# Altium PCB X98_CARRIER_V1R2_12082022.PcbDoc (part 7 of 10) (continued)
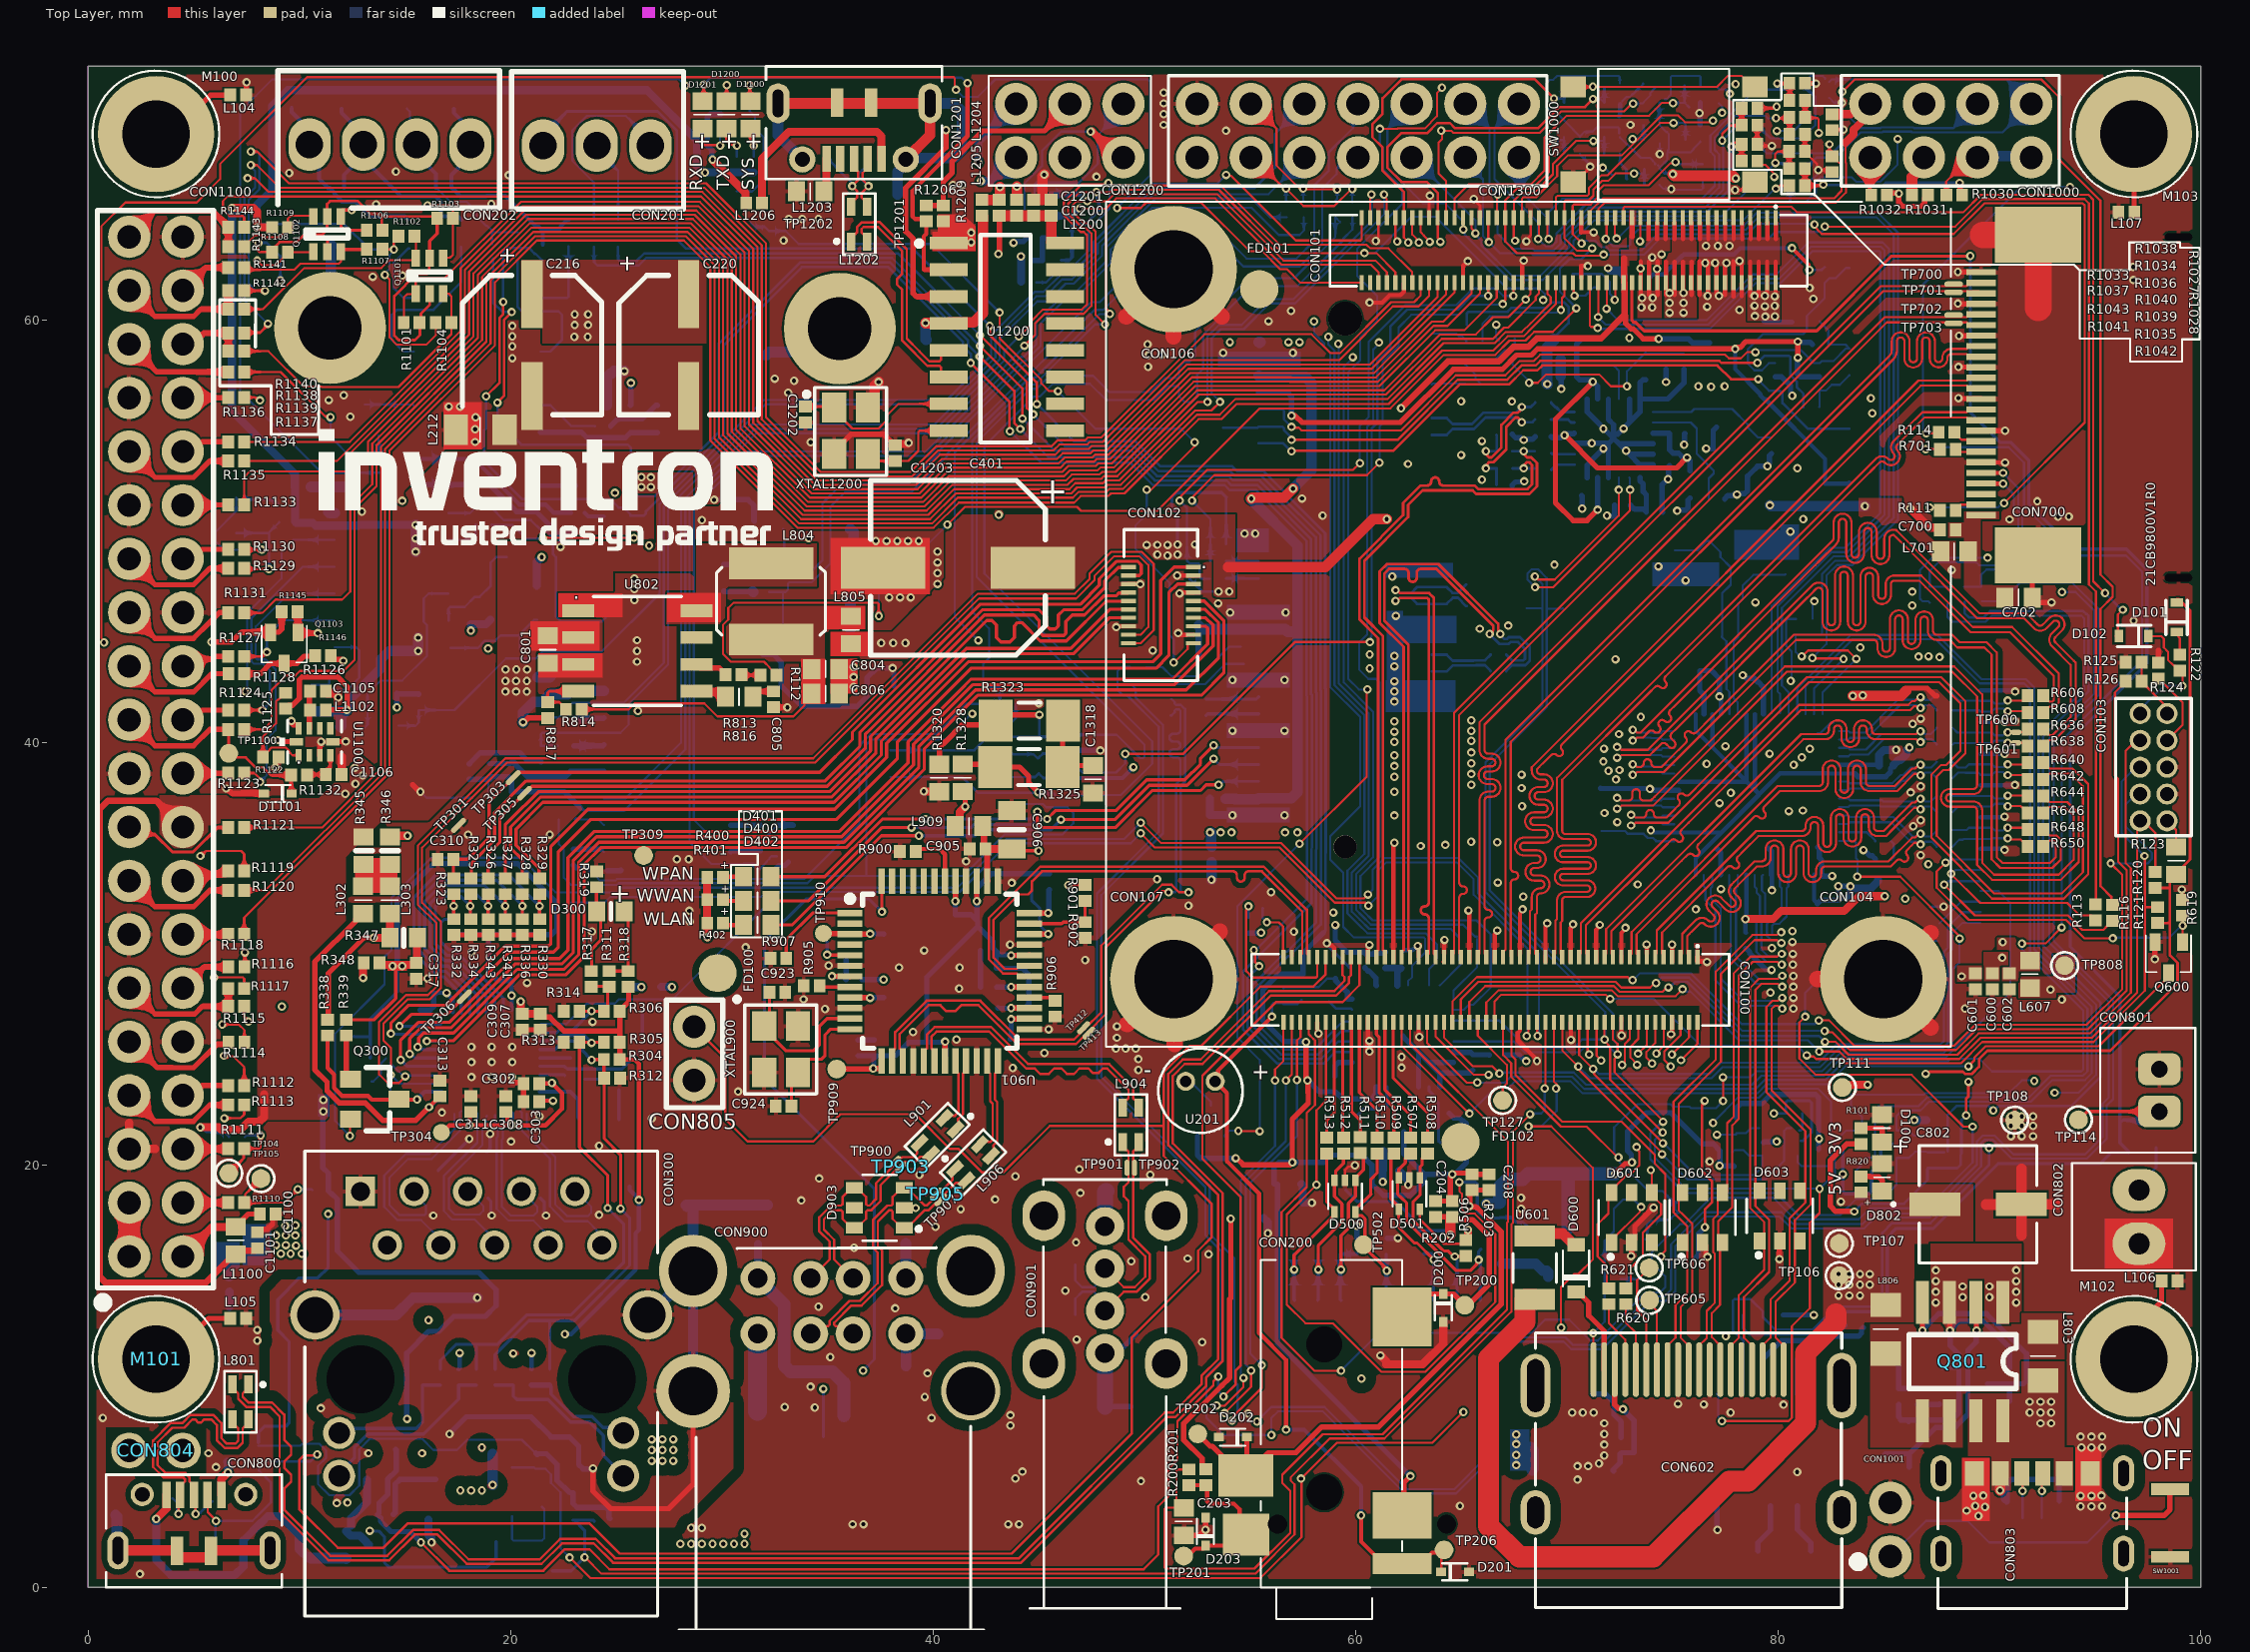
[diagram p0: Top Layer view]
## Nets (pads, with @x,y where several pads share a name; then routed paths per layer and width w, separated by ;. In a path a pad name is that pad's centre, name@x,y a point inside that pad or via, vN(x,y) a via of type N, cw(c..) or ccw(c..) an arc to the next point about the centre after c; other vN are vias at no path point) (continued)
  Top Layer w0.152: CON1100.17@1.93,35.99 2.284,35.636 3.158,35.636 3.982,34.812 4.958,34.812 6.115,35.969 R1121.1@6.626,35.969
NetCON1100_20: CON1100.20 R1123.2 | length 2.2
  Top Layer w0.254: CON1100.20@4.47,38.53 4.48,38.54 6.615,38.54 R1123.2@6.626,38.551
NetCON1100_22: CON1100.22 R1124.2 | length 2.3
  Top Layer w0.254: CON1100.22@4.47,41.07 4.942,41.07 5.399,41.527 R1124.2@6.626,41.527
NetCON1100_23: CON1100.23 R1128.1 | length 5.6
  Top Layer w0.254: CON1100.23@1.93,43.61 3.159,42.381 4.979,42.381 5.85,43.253 R1128.1@6.628,43.253
NetCON1100_24: CON1100.24 R1127.2 | length 2.3
  Top Layer w0.254: CON1100.24@4.47,43.61 4.804,43.944 5.821,43.944 5.945,44.068 R1127.2@6.626,44.068
NetCON1100_25: CON1100.25 R1131.1 | length 5.7
  Top Layer w0.254: CON1100.25@1.93,46.15 3.159,44.921 4.979,44.921 5.699,45.641 6.197,46.14 R1131.1@6.615,46.14
NetCON1100_27: CON1100.27 R1129.1 | length 5.5
  Top Layer w0.254: CON1100.27@1.93,48.69 3.159,47.461 4.979,47.461 5.755,48.237 R1129.1@6.626,48.237
NetCON1100_28: CON1100.28 R1130.2 | length 2.3
  Top Layer w0.254: CON1100.28@4.47,48.69 4.942,48.69 5.391,49.139 R1130.2@6.626,49.139
NetCON1100_30: CON1100.30 R1133.2 | length 2.2
  Top Layer w0.254: CON1100.30@4.47,51.23 4.48,51.24 6.615,51.24 R1133.2@6.626,51.251
NetCON1100_31: CON1100.31 R1135.1 | length 5.5
  Top Layer w0.254: CON1100.31@1.93,53.77 3.159,52.541 4.979,52.541 5.756,53.319 R1135.1@6.626,53.319
NetCON1100_32: CON1100.32 R1134.2 | length 2.3
  Top Layer w0.254: CON1100.32@4.47,53.77 4.942,53.77 5.402,54.229 R1134.2@6.626,54.229
NetCON1100_34: CON1100.34 R1136.2 | length 2.2
  Top Layer w0.254: CON1100.34@4.47,56.31 4.48,56.32 6.615,56.32 R1136.2@6.626,56.331
NetCON1100_35: CON1100.35 R1137.1 | length 5.2
  Top Layer w0.254: CON1100.35@1.93,58.85 3.241,57.539 5.091,57.539 5.096,57.534 R1137.1@6.626,57.534
NetCON1100_36: CON1100.36 R1138.2 R1139.2 | length 3.2
  Top Layer w0.254: CON1100.36@4.47,58.85 4.942,58.85 5.471,59.379 R1138.2@6.626,59.379 R1139.2@6.626,58.52
NetCON1100_37: CON1100.37 R1140.1 R1142.1 | length 6.2
  Top Layer w0.254: CON1100.37@1.93,61.39 3.159,60.161 4.979,60.161 5.323,60.506 R1140.1@6.626,60.506 R1142.1@6.626,61.39
NetCON1100_38: CON1100.38 R1141.2 | length 2.6
  Top Layer w0.254: CON1100.38@4.47,61.39 5.557,62.477 R1141.2@6.626,62.477
NetCON1100_39: CON1100.39 R1143.1 R1144.1 | length 6.5
  Top Layer w0.254: CON1100.39@1.93,63.93 3.159,65.159 5.876,65.159 6.626,64.409 R1144.1@6.626,64.384 R1143.1@6.626,63.472
NetCON1200_1: CON1200.1 R1203.2 | length 7.2
  Bottom Layer w0.102: R1203.2@44.81,65.961 44.81,66.444 44.869,66.504 46.904,66.504 47.788,67.387 47.788,68.752 49.001,69.965 CON1200.1@49.001,70.23
NetCON1200_2: CON1200.2 R1202.1 | length 8.6
  Top Layer w0.102: v1(47.451,68.913) v1@47.532,68.913 ; CON1200.2@48.755,67.69 CON1200.2@49.001,67.69
  Top Layer w0.381: v1@47.532,68.913 CON1200.2@48.755,67.69
  Bottom Layer w0.102: R1202.1@44.81,64.918 44.378,64.918 44.318,64.977 44.318,66.458 45.158,67.297 45.158,68.017 46.054,68.913 v1(47.451,68.913)
NetCON1200_5: CON1200.5 R1204.2 | length 9.3
  Layer 2 w0.102: v1(42.125,67.459) 42.125,67.411 41.899,67.186 41.899,64.89 43.099,63.691 43.766,63.691 v1(43.804,63.652)
  Bottom Layer w0.254: v1(43.804,63.652) 43.844,63.652 43.908,63.716 44.276,63.716 44.429,63.869 R1204.2@44.429,63.875
  Bottom Layer w0.381: v1(42.125,67.459) 42.125,68.434 CON1200.5@43.921,70.23
NetCON1200_6: CON1200.6 R1205.1 | length 8.2
  Layer 2 w0.102: v1(42.252,66.57) 42.252,64.919 43.166,64.005 44.097,64.005 44.157,63.945 44.157,63.014 v1(44.151,63.008)
  Bottom Layer w0.381: v1(42.252,66.57) 42.255,66.574 42.726,66.574 43.842,67.69 CON1200.6@43.921,67.69 ; R1205.1@44.151,61.804 v1(44.151,63.008)
NetCON1201_1: CON1201.1 L1206.1 | length 9.5
  Top Layer w0.381: L1206.1@31.928,65.532 31.896,65.563 31.896,67.634 33.172,68.91 37.327,68.91 37.55,68.687 CON1201.1@37.55,67.625
NetCON1201_5: CON1201.5 L1203.1 | length 1.6
  Top Layer w0.381: L1203.1@34.827,66.083 34.941,66.197 34.941,67.616 CON1201.5@34.95,67.625
NetCON1300_11: CON1300.11 R1309.2 R1311.2 | length 8
  Top Layer w0.102: CON1300.11@55.076,70.234 56.252,69.058 56.252,67.312 57.298,66.266 57.459,66.266 57.537,66.188 59.1,66.188 v1(59.124,66.164)
  Bottom Layer w0.102: v1(57.516,66.209) 57.516,65.644 R1311.2@57.548,65.612 ; R1309.2@59.037,65.612 59.037,65.646 59.124,65.733 v1(59.124,66.164)
NetCON1300_12: CON1300.12 R1313.2 R1315.2 | length 7.4
  Top Layer w0.102: CON1300.12@55.03,67.69 55.149,67.69 56.621,66.218 v1(56.701,66.218) 57.53,65.389 58.985,65.389 59.793,66.198 v1(59.838,66.198)
  Layer 2 w0.102: v1@56.626,66.218 v1(56.701,66.218)
  Bottom Layer w0.102: v1(56.701,66.218) 56.701,65.646 R1315.2@56.735,65.612 ; v1(59.838,66.198) 59.838,65.587 R1313.2@59.849,65.576
NetD100_1: D100.1 R101.2 | length 1.6
  Top Layer w0.254: R101.2@83.928,21.738 84.924,21.738 D100.1@84.924,21.104
NetD101_2: D101.2 R122.2 | length 1
  Top Layer w0.102: D101.2@98.869,45.078 99.016,44.93 R122.2@99.016,44.149
NetD300_1: D300.1 R311.1 R318.1 | length 3.5
  Top Layer w0.152: R311.1@24.663,29.173 R318.1@25.462,29.173 ; R318.1@25.557,29.173 25.557,31.831 D300.1@25.603,31.877
NetD300_2: D300.2 R317.1 R319.2 | length 4.1
  Top Layer w0.152: R317.1@23.825,29.286 23.825,30.201 24.257,30.632 24.257,31.715 24.308,31.766 D300.2@24.072,32.001 ; R319.2@24.059,33.148 24.059,32.075 D300.2@24.079,32.055
NetD400_1: D400.1 R401.1 | length 1
  Top Layer w0.203: R401.1@30.051,32.553 30.105,32.499 D400.1@31.022,32.499
NetD401_1: D401.1 R400.1 | length 1
  Top Layer w0.203: R400.1@30.051,33.616 30.077,33.642 D401.1@31.022,33.642
NetD402_1: D402.1 R402.1 | length 1
  Top Layer w0.203: R402.1@30.051,31.446 30.141,31.356 D402.1@31.022,31.356
NetD404_A: D404.A Q400.1 R421.1 R427.2 | length 10.1
  Top Layer w0.102: v1(68.208,57.025) 68.618,57.025 69.011,57.418 71.522,57.418 72.083,56.857 v1(72.841,56.857)
  Bottom Layer w0.102: D404.A@67.415,57.998 67.415,57.898 68.151,57.163 68.151,57.082 v1(68.208,57.025) ; v1(72.841,56.857) 72.841,57.574 Q400.1@73.723,58.455 73.765,58.413 R421.1@74.684,58.413 R427.2@75.539,58.413
NetD500_1: D500.1 R505.1 R511.2 R514.2 U500.3 | length 9
  Top Layer w0.152: v1(59.297,15.044) 59.297,16.648 59.659,17.009 59.659,18.175 59.992,18.508 59.992,19.391 60.371,19.77 60.371,20.388 R511.2@60.22,20.538
  Bottom Layer w0.152: U500.3@59.299,13.6 59.261,13.638 R505.1@59.261,15.784 R514.2@60.071,15.784
NetD500_3: D500.3 R501.1 R512.2 U500.2 | length 8.5
  Top Layer w0.152: v1(58.23,15.044) 58.23,16.188 59.35,17.307 59.35,18.15 58.992,18.508 D500.3@58.992,19.266 59.052,19.326 59.052,19.693 59.425,20.067 R512.2@59.425,20.538
  Bottom Layer w0.152: U500.2@58.199,13.6 58.222,13.623 R501.1@58.222,15.784
NetD500_4: D500.4 R504.1 R513.2 U500.1 | length 8.6
  Top Layer w0.152: v1(57.087,15.044) 57.087,15.24 57.079,15.248 57.079,15.728 58.992,17.641 D500.4@58.992,17.766 58.992,17.891 58.63,18.253 R513.2@58.63,20.538
  Bottom Layer w0.152: R504.1@57.084,15.784 57.084,13.615 U500.1@57.099,13.6
NetD501_1: D501.1 R506.1 R508.2 U500.8 | length 8.8
  Top Layer w0.152: R508.2@63.4,20.538 63.375,20.538 63.146,20.31 63.146,20.013 63.048,19.914 63.048,18.577 62.712,18.242 62.712,17.39 64.181,15.921 64.389,15.921 v1@64.669,15.641 ; v1(64.693,15.665) 65.185,15.665 R506.1@65.214,15.694
  Bottom Layer w0.152: v1(64.693,15.665) 64.693,15.598 64.799,15.491 U500.8@64.799,13.6
NetD501_3: D501.3 R503.1 R507.2 U500.9 | length 10.8
  Top Layer w0.152: R507.2@62.605,20.538 62.58,20.538 62.357,20.316 62.357,20.105 62.04,19.788 D501.3@62.04,19.393 61.987,19.34 61.987,19.002 61.987,18.613 62.163,18.437 62.173,18.437 62.411,18.199 62.411,17.332 64.735,15.008 65.449,15.008 65.737,15.295 65.737,15.353 65.82,15.436 v1(65.82,15.503)
  Bottom Layer w0.152: U500.9@65.899,13.6 65.899,15.358 65.82,15.436 65.82,15.9 R503.1@65.931,16.011
NetD501_4: D501.4 R502.1 R509.2 U500.7 | length 8.7
  Top Layer w0.152: R509.2@61.81,20.538 61.671,20.399 61.671,18.387 62.04,18.018 D501.4@62.04,17.893 62.032,17.885 62.032,17.04 62.77,16.302 62.906,16.302 v1(63.691,15.517)
  Bottom Layer w0.152: R502.1@63.209,15.797 63.628,15.797 63.717,15.707 63.717,15.543 v1(63.691,15.517) 63.691,13.608 U500.7@63.699,13.6
NetD600_A: D600.A U601.2 | length 2.2
  Top Layer w0.508: U601.2@68.473,16.625 68.6,16.752 69.793,16.752 70.329,16.216 D600.A@70.429,16.216
NetD604_A: D604.A R611.2 | length 3
  Bottom Layer w0.254: D604.A@71.219,9.158 71.83,9.158 72.222,8.765 72.222,8.181 72.568,7.836 R611.2@72.568,7.1
NetD800_K: D800.K R809.1 R815.1 | length 2
  Bottom Layer w0.254: D800.K@85.706,10.541 R809.1@85.706,9.408 R815.1@86.595,9.408
NetD801_A: D801.A Q801.G1 R819.2 | length 10.9
  Top Layer w0.254: Q801.G1@89.369,13.484 89.384,13.469 89.384,12.18 v1(89.398,12.166)
  Bottom Layer w0.254: R819.2@85.039,6.274 85.09,6.325 86.208,6.325 ; D801.A@86.208,5.69 86.208,6.325 ; 88.541,7.751 88.982,8.192 88.982,11.21 89.37,11.599 89.37,12.147 v1@89.398,12.175 ; 88.544,7.747 88.358,7.561 87.444,7.561 86.208,6.325
NetD801_K: D801.K Q801.S1 Q801.S2 Q802.2 R809.2 R818.2 | length 14.5
  Top Layer w0.254: Q801.S2@88.099,13.484 88.118,13.465 88.118,12.185 v1(88.137,12.166)
  Bottom Layer w0.254: R809.2@85.706,8.658 85.706,8.083 85.767,8.023 ; D801.K@85.795,7.916 88.204,7.916 88.558,8.271 88.558,10.436 88.558,11.03 88.137,11.451 v1(88.137,12.166) 88.575,12.603 89.716,12.603 90.948,11.371 R818.2@90.948,10.385 ; D801.K@86.182,7.846 D801.K@86.253,7.916 ; Q802.2@87.616,10.583 87.764,10.436 88.48,10.436
  other v1: 87.464,13.484 91.274,13.484 88.734,13.738 90.004,13.738 87.464,13.992 91.274,13.992 88.734,14.246 90.004,14.246 87.464,14.5 91.274,14.5 87.464,15.008 91.274,15.008
NetD802_1: D802.1 R820.2 | length 1.6
  Top Layer w0.254: R820.2@83.928,19.452 84.332,19.452 84.357,19.428 84.775,19.428 84.919,19.284 cw(c84.71,19.239) 84.924,19.239 D802.1@84.924,18.788
NetD805_K: D805.K L800.1 L807.2 | length 3.9
  Bottom Layer w0.381: L800.1@12.195,2.664 12.41,2.449 12.868,2.449 13.2,2.116 13.2,2.082 13.25,2.032 L807.2@13.284,2.032 ; L800.1@12.446,2.921 12.446,3.277 13.195,4.025 D805.K@13.195,5.102
NetD1100_1: D1100.1 R1100.2 | length 1.4
  Top Layer w0.114: D1100.1@31.341,69.055 31.341,68.477 31.5,68.318 v1(31.5,68.252)
  Bottom Layer w0.114: R1100.2@31.5,67.735 v1(31.5,68.252)
NetD1100_2: D1100.2 Q1100.3 | length 7
  Top Layer w0.102: v1(31.313,71.116) 31.313,70.382 D1100.2@31.341,70.355
  Bottom Layer w0.102: Q1100.3@30.682,66.084 31.423,66.084 31.957,66.618 31.957,68.666 31.567,69.056 31.567,69.614 31.313,69.868 v1(31.313,71.116)
NetD1102_3: D1102.3 L1104.2 | length 4.7
  Bottom Layer w0.254: D1102.3@79.289,10.624 79.289,10.824 79.454,10.99 80.14,11.675 81.896,11.675 82.541,12.32 83.084,12.32 83.16,12.395 L1104.2@83.16,12.421
NetD1200_1: D1200.1 R1200.2 | length 1.7
  Top Layer w0.114: D1200.1@30.207,69.055 30.207,68.477 30.378,68.307 30.649,68.307 v1(30.703,68.252)
  Bottom Layer w0.114: R1200.2@30.703,67.735 v1(30.703,68.252)
NetD1201_1: D1201.1 R1201.2 | length 2.2
  Top Layer w0.114: D1201.1@29.074,69.055 29.074,68.399 29.205,68.268 29.891,68.268 v1(29.907,68.252)
  Bottom Layer w0.114: v1(29.907,68.252) 29.907,68.81 R1201.2@29.953,68.856
NetD1203_2: D1203.2 R1204.1 R1210.2 | length 2.2
  Bottom Layer w0.254: D1203.2@44.66,62.826 44.66,62.814 45.161,62.814 45.161,63.875 R1204.1@45.178,63.875 45.178,63.872 R1210.2@45.817,63.872
NetD1301_2: D1301.2 R1308.2 U1302.12 | length 5.9
  Bottom Layer w0.254: R1308.2@18.999,39 19.97,39 D1301.2@20.036,39.066 20.136,39.066 20.209,38.993 20.209,38.955 20.798,38.366 22.576,38.366 22.833,38.623 U1302.12@24.412,38.623
NetL104_1: L104.1 M100.0 | length 4.3
  Top Layer w0.254: M100.0@3.2,68.8 3.94,68.8 5.784,70.644 L104.1@6.715,70.644
NetL105_1: L105.1 M101.0 | length 4.3
  Top Layer w0.254: M101.0@3.2,10.8 3.764,10.8 5.696,12.732 L105.1@6.715,12.732
NetL106_1: L106.1 M102.0 | length 4.3
  Top Layer w0.254: M102.0@96.846,10.8 96.846,12.22 98.155,13.529 L106.1@98.155,14.51
NetL107_1: L107.1 M103.0 | length 3.7
  Top Layer w0.254: M103.0@96.846,68.8 96.854,68.792 96.854,65.105 L107.1@96.862,65.097
NetL207_1: L207.1 U202.1 | length 3.7
  Bottom Layer w0.117: U202.1@21.399,61.04 22.67,61.04 22.738,61.109 L207.1@22.738,63.478
NetL208_1: L208.1 U202.3 | length 6.9
  Bottom Layer w0.117: L208.1@20.325,62.843 20.325,60.613 20.527,60.411 22.259,60.411 22.434,60.237 22.434,59.06 21.874,58.5 U202.3@21.399,58.5
NetL209_1: L209.1 U202.14 | length 8
  Bottom Layer w0.117: U202.14@15.399,58.5 14.924,58.5 14.364,59.06 14.364,60.237 14.607,60.48 16.34,60.48 17.658,61.798 L209.1@17.658,63.446
NetL210_1: L210.1 U202.16 | length 3.3
  Bottom Layer w0.117: L210.1@15.189,63.373 15.134,63.373 14.465,62.705 14.465,61.499 14.924,61.04 U202.16@15.399,61.04
NetL302_1: L302.1 L303.1 R345.2 R346.2
NetL500_1: L500.1 Q500.3 | length 2.5
  Bottom Layer w0.508: L500.1@66.937,15.318 68.525,15.318 68.848,14.995 69.048,14.995 69.119,14.924 Q500.3@69.119,14.724
NetL803_2: L803.2 L806.1 Q801.D2
NetL804_1: L804.1 U802.8
NetL1104_1: L1104.1 U1101.8 | length 5.6
  Bottom Layer w0.254: U1101.8@80.988,9.25 U1101.8@80.904,9.166 80.904,10.774 81.449,11.319 82.043,11.319 82.611,11.887 83.798,11.887 83.947,12.036 83.947,12.217 L1104.1@84.023,12.294
NetQ200_3: Q200.3 U201.N | length 1.8
  Bottom Layer w0.102: U201.N@51.949,23.959 52.158,23.959 53.143,22.974 Q200.3@53.143,22.819
NetQ201_3: Q201.3 U202.12 | length 2.3
  Bottom Layer w0.102: Q201.3@13.084,55.993 15.366,55.993 U202.12@15.399,55.96
NetQ300_1: Q300.1 R339.1 | length 2
  Top Layer w0.254: R339.1@12.213,26.123 12.213,24.262 Q300.1@12.319,24.155
NetQ300_3: Q300.3 R338.1 U300.12 | length 8
  Top Layer w0.203: R338.1@11.324,26.123 11.324,24.592 11.633,24.282 11.633,23.639 12.006,23.266 13.243,23.266 13.421,23.089 Q300.3@14.605,23.089 ; Q300.3@14.714,23.114 14.739,23.089 v1@15.57,23.089
  Bottom Layer w0.203: v1@15.519,23.139 15.593,23.139 15.921,23.467 U300.12@16.725,23.467
  other v1: 15.558,23.104
NetQ400_3: Q400.3 U400.22 | length 1.6
  Bottom Layer w0.102: Q400.3@72.249,57.795 72.251,57.795 72.461,57.586 U400.22@72.461,56.252
NetQ601_1: Q601.1 R623.1 | length 1
  Bottom Layer w0.102: R623.1@72.537,14.594 73.485,14.594 Q601.1@73.5,14.579
NetQ800_3: Q800.3 R805.1 U800.4 | length 4.2
  Bottom Layer w0.102: U800.4@20.057,3.378 20.057,2.278 20.117,2.218 20.998,2.218 21.486,2.218 21.586,2.318 21.586,3.703 Q800.3@21.469,3.82
NetQ801_G2: Q801.G2 Q802.3 R810.1 R818.1 | length 11.3
  Top Layer w0.254: Q801.G2@86.829,13.484 86.83,13.482 86.83,12.167 v1(86.832,12.166)
  Bottom Layer w0.254: v1@86.832,12.188 87.603,12.959 89.863,12.959 91.756,11.066 91.756,9.782 91.608,9.633 R818.1@90.948,9.633 ; Q802.3@89.916,9.633 R818.1@90.948,9.634 ; R810.1@90.948,8.825 R818.1@90.948,9.633 ; R818.1@90.948,9.635 R818.1@90.948,9.633
NetQ802_1: Q802.1 R815.2 | length 1
  Bottom Layer w0.254: R815.2@86.595,8.658 87.616,8.658 Q802.1@87.616,8.683
NetR210_2: R210.2 U202.7 | length 1.4
  Bottom Layer w0.2: U202.7@21.399,53.42 21.407,53.412 22.742,53.412 R210.2@22.754,53.4
NetR211_2: R211.2 U202.10 | length 8.5
  Bottom Layer w0.2: U202.10@15.399,53.42 18.244,53.42 20.407,51.258 21.643,51.258 22.021,50.88 R211.2@22.868,50.88
NetR212_2: R212.2 U202.5 | length 3
  Bottom Layer w0.117: U202.5@21.399,55.96 21.874,55.96 22.857,54.977 23.96,54.977 R212.2@23.981,54.957
NetR300_2: R300.2 R301.2 R304.2 R312.1 U300.34 | length 24.9
  Top Layer w0.152: v1@23.825,24.989 24.338,24.989 R304.2@24.359,24.968 ; R304.2@24.41,24.989 24.41,24.121 R312.1@24.421,24.109 24.421,21.248 25.197,20.472 v1(25.197,17.932)
  Bottom Layer w0.152: R301.2@19.253,10.326 19.253,11.024 20.853,12.624 21.844,12.624 ; U300.34@21.375,25.467 22.088,25.467 22.492,25.87 23.178,25.87 23.41,25.638 23.41,25.384 v1@23.749,25.044 ; R300.2@21.844,10.326 21.844,12.624 ; v1(25.197,17.932) 25.629,17.501 25.629,15.24 23.012,12.624 21.844,12.624
  other v1: 23.825,24.968
NetR305_2: R305.2 R307.2 R308.2 R313.1 U300.33 | length 27.3
  Top Layer w0.152: R305.2@24.409,25.781 24.389,25.802 R313.1@23.255,25.802 23.255,20.84 24.587,19.507 v1(24.587,17.958)
  Bottom Layer w0.152: R308.2@16.667,10.326 16.667,10.749 17.424,11.506 18.369,11.506 ; R307.2@18.369,10.326 18.369,11.506 ; U300.33@21.375,25.867 22.129,25.867 22.386,26.124 23.482,26.124 v1@23.774,25.832 ; v1(24.587,17.958) 25.349,17.196 25.349,15.392 22.86,12.903 20.774,12.903 19.377,11.506 18.369,11.506
  other v1: 23.825,25.781
NetR306_2: R306.2 R311.2 R314.1 R317.2 U300.32 | length 6
  Top Layer w0.152: R314.1@23.255,27.275 R306.2@24.303,27.275 ; R317.2@23.774,28.448 24.639,28.448 R311.2@24.663,28.423 ; R306.2@24.41,27.275 24.587,27.452 R311.2@24.587,28.397
  Bottom Layer w0.152: U300.32@21.375,26.267 22.17,26.267 22.294,26.391 22.936,26.391 v1@23.8,27.254
  other v1: 23.825,27.28
NetR315_2: R315.2 U300.39 | length 2.8
  Bottom Layer w0.203: U300.39@21.375,23.467 22.812,23.467 23.19,23.089 23.19,22.25 R315.2@23.216,22.225
NetR320_2: R320.2 U300.37 | length 1.2
  Bottom Layer w0.152: U300.37@21.375,24.267 22.52,24.267 R320.2@22.555,24.232
NetR609_2: R609.2 R610.1 | length 1
  Bottom Layer w0.114: R610.1@85.346,35.326 85.462,35.21 85.462,34.558 R609.2@85.357,34.453
NetR610_2: R610.2 TP602.1 U600.13 | length 1.9
  Bottom Layer w0.114: U600.13@82.897,35.739 84.208,35.739 84.596,35.351 R610.2@84.596,35.326
NetR813_2: R813.2 U802.6 | length 1.6
  Top Layer w0.254: U802.6@28.79,43.693 28.963,43.52 29.882,43.52 30.044,43.358 R813.2@30.044,43.185
NetR814_1: R814.1 R817.2 U802.4 | length 2.9
  Top Layer w0.117: R814.1@22.613,41.564 22.613,41.59 22.298,41.905 R817.2@21.742,41.905 21.742,42.355 21.811,42.423 U802.4@23.186,42.423
NetR816_2: R816.2 U802.5 | length 1.6
  Top Layer w0.254: U802.5@28.647,42.423 U802.5@28.79,42.423 29.907,42.423 R816.2@30.163,42.166
NetR900_2: R900.2 U901.42 | length 2.8
  Top Layer w0.203: R900.2@39.167,34.95 40.31,34.95 40.555,34.705 U901.42@40.555,33.423
NetR901_1: R901.1 R902.2 U901.35 | length 3.7
  Top Layer w0.152: U901.35@44.555,31.423 46.079,31.423 46.151,31.495 R902.2@47.188,31.495 R901.1@47.188,32.498
NetR903_1: R903.1 U901.36 | length 2
  Top Layer w0.254: U901.36@44.555,31.923 44.557,31.925 45.438,31.925 v1(45.441,31.928)
  Bottom Layer w0.254: v1(45.441,31.928) 45.468,31.956 45.468,33.004 R903.1@45.496,33.032
NetR904_1: R904.1 U901.34 | length 3.3
  Top Layer w0.254: U901.34@44.555,30.923 44.558,30.927 45.437,30.927 v1(45.441,30.93)
  Bottom Layer w0.152: R904.1@44.658,33.032 44.653,33.027 44.653,32.537 45.034,32.156 45.034,31.337 v1(45.441,30.93)
NetR905_2: R905.2 U901.8 | length 1.5
  Top Layer w0.152: R905.2@34.62,28.478 34.675,28.423 U901.8@36.055,28.423
NetR906_1: R906.1 U901.28 | length 1.3
  Top Layer w0.152: U901.28@44.555,27.923 45.623,27.923 R906.1@45.771,27.775
NetR907_2: R907.2 U901.1 | length 4.4
  Top Layer w0.152: R907.2@33.039,29.769 33.039,30.677 34.288,31.925 36.052,31.925 U901.1@36.055,31.923
NetR908_2: R908.2 U901.5 | length 1.7
  Top Layer w0.152: v1(34.976,29.947) 34.988,29.935 36.043,29.935 U901.5@36.055,29.923
  Bottom Layer w0.152: R908.2@34.956,30.582 34.976,30.562 v1(34.976,29.947)
NetR909_2: R909.2 R910.1 U901.7 | length 2.5
  Top Layer w0.254: v1(35.204,28.931) 35.208,28.927 36.051,28.927 U901.7@36.055,28.923
  Layer 2 w0.381: v1(35.204,28.931) v1@35.208,28.934
  Bottom Layer w0.254: v1(35.204,28.931) 35.232,28.903 35.746,28.903 R910.1@35.871,28.778 R909.2@35.871,29.693
NetR1122_1: R1122.1 R1126.1 U1100.1 | length 5.6
  Top Layer w0.102: R1122.1@8.264,39.299 R1122.1@8.264,39.325 ; R1126.1@9.341,42.341 9.316,42.341 8.998,42.023 8.973,42.023 8.884,41.933 8.884,40.897 8.264,40.278 R1122.1@8.264,39.325 ; U1100.1@9.956,39.391 9.654,39.391 9.505,39.54 9.505,39.608 9.357,39.756 8.672,39.756 8.582,39.667 8.582,39.643 R1122.1@8.264,39.325
NetR1300_1: R1300.1 U1300.9 | length 4.5
  Bottom Layer w0.102: R1300.1@11.218,42.26 11.447,42.489 12.253,42.489 12.827,43.063 12.827,44.348 12.671,44.505 U1300.9@11.651,44.505
NetR1301_1: R1301.1 U1300.8 | length 2
  Bottom Layer w0.102: R1301.1@10.422,42.265 10.444,42.286 10.444,42.63 10.537,42.723 11.345,42.723 11.405,42.782 11.405,42.988 U1300.8@11.651,43.235
NetR1304_1: R1304.1 U1300.1 | length 1.4
  Bottom Layer w0.102: U1300.1@17.051,50.855 18.068,50.855 18.332,51.119 R1304.1@18.332,51.144
NetR1304_2: R1304.2 U1301.1 | length 9.8
  Bottom Layer w0.117: R1304.2@19.081,51.144 19.081,51.119 19.677,50.523 20.953,50.523 21.471,50.005 21.666,50.005 21.988,49.683 21.988,48.92 22.143,48.766 22.143,45.955 22.384,45.713 24.306,45.713 U1301.1@24.482,45.889
NetR1305_1: R1305.1 R1318.2 U1300.2 | length 2
  Bottom Layer w0.117: U1300.2@17.051,49.585 18.224,49.585 18.278,49.531 18.332,49.585 R1305.1@18.332,50.304
NetR1305_2: R1305.2 U1301.4 | length 8.4
  Top Layer w0.117: v1(21.517,49.645) 21.555,49.683 21.735,49.683 ; 21.736,49.683 v1(25.824,49.683)
  Bottom Layer w0.117: R1305.2@19.081,50.304 19.094,50.292 20.066,50.292 20.713,49.645 v1(21.517,49.645) ; U1301.4@24.482,49.699 25.808,49.699 v1(25.824,49.683)
NetR1307_1: R1307.1 U1302.10 | length 1.6
  Bottom Layer w0.102: R1307.1@23.097,36.424 R1307.1@23.026,36.352 24.142,36.352 U1302.10@24.412,36.083
NetR1312_1: R1312.1 U1302.9 | length 1.5
  Bottom Layer w0.102: U1302.9@24.282,34.943 U1302.9@24.412,34.813
  Bottom Layer w0.254: R1312.1@22.969,34.943 U1302.9@24.282,34.943
NetR1316_2: R1316.2 U1303.1 | length 0.9
  Bottom Layer w0.102: U1303.1@43.728,40.962 43.902,41.136 R1316.2@43.902,41.822
NetR1324_1: R1324.1 R1327.2 U1303.3 | length 2.3
  Bottom Layer w0.114: U1303.3@43.582,38.359 44.825,38.359 R1324.1@44.994,38.528 45.074,38.448 45.217,38.306 R1327.2@45.724,38.306
NetR1329_1: R1329.1 R1330.1 U1301.8
NetTP300_1: TP300.1 U300.35 | length 1.5
  Bottom Layer w0.152: U300.35@21.375,25.067 TP300.1@22.835,25.067
NetU1101_1: U1101.1 XTAL1100.2 | length 2.4
  Bottom Layer w0.254: U1101.1@80.904,3.866 80.904,2.757 81.543,2.117 XTAL1100.2@81.543,1.717
NetU1101_2: U1101.2 XTAL1100.1 | length 2.4
  Bottom Layer w0.254: XTAL1100.1@79.043,1.717 79.043,2.117 79.634,2.708 U1101.2@79.634,3.866
nRESET_HDMI: C640.1 CON101.41 R632.1 U600.64 | length 45.2
  Top Layer w0.102: v1(71.838,63.831) 71.838,63.822 71.843,63.817 71.882,63.855 CON101.41@71.882,64.837 ; v1(81.116,44.078) 81.142,44.078 81.414,44.349 83.303,44.349 v1(83.696,43.956)
  Bottom Layer w0.102: v1(71.838,63.831) 72.174,63.495 72.92,63.495 73.001,63.575 73.001,63.905 73.357,64.262 78.464,64.262 79.066,64.865 84.649,64.865 85.47,64.044 85.47,50.631 83.439,48.599 82.702,48.599 82.084,47.982 82.084,45.16 82.025,45.101 C640.1@81.627,45.101 R632.1@80.835,45.101 80.835,44.281 81.038,44.078 v1(81.116,44.078) ; U600.64@82.097,41.339 82.104,41.346 82.104,42.364 v1(83.696,43.956)
ONOFF: CON100.46 CON1001.1 SW1001.2 TP1001.1 | length 60.2
  Top Layer w0.102: CON100.46@67.379,26.815 67.379,25.176 67.564,24.991 67.564,24.254 69.771,22.046 72.593,22.046 74.152,20.487 74.152,20.072 74.657,19.567 74.657,15.94 74.447,15.731 v1@74.447,15.672
  Top Layer w0.254: v1(95.987,3.404) 98.273,3.404 98.552,3.683 SW1001.2@98.552,4.648
  Layer 2 w0.102: v1@74.456,15.688 77.521,12.624 v1(77.521,11.897) 78.35,11.897 78.54,11.706 87.591,11.706 93.675,5.622 93.675,3.734 94.005,3.404 v1(95.987,3.404)
  Bottom Layer w0.102: CON1001.1@85.31,1.467 86.993,3.15 88.976,3.15 89.992,2.134 94.64,2.134 95.91,3.404 v1(95.987,3.404) ; TP1001.1@95.88,3.51 95.961,3.591 TP1001.1@95.961,3.632
  other v1: 74.454,15.656
PCIe_CPU_CLK_N: CON100.75 R416.2 R418.2 | length 32.3
  Top Layer w0.128: CON100.75@61.379,29.837 61.379,30.087 61.294,30.172 61.294,45.031 60.413,45.911 60.413,48.599 62.48,50.666 62.48,51.239 63.169,51.928 63.317,51.928 65.541,51.928 65.706,51.764 68.229,51.764 68.578,52.113 68.578,53.226 68.31,53.493 68.109,53.493 68.006,53.596 68.006,53.735 v1(67.954,53.787)
  Bottom Layer w0.128: R418.2@67.423,53.787 v1(67.954,53.787) R416.2@68.462,53.787
PCIe_CPU_CLK_P: CON100.77 R415.2 R417.2 | length 32.4
  Top Layer w0.128: CON100.77@60.979,29.837 60.979,30.087 61.064,30.172 61.064,44.936 60.184,45.816 60.184,48.695 62.25,50.761 62.25,51.335 63.073,52.158 63.317,52.158 63.381,52.158 ccw(c63.381,52.349) 63.572,52.349 cw(c63.764,52.349) 63.764,52.54 cw(c63.764,52.349) 63.955,52.349 ccw(c64.146,52.349) 64.146,52.158 65.636,52.158 65.801,51.994 68.134,51.994 68.348,52.208 68.348,53.13 68.215,53.264 68.109,53.264 68.006,53.161 68.006,53.022 v1(67.954,52.97)
  Bottom Layer w0.128: R417.2@67.423,52.97 v1(67.954,52.97) R415.2@68.462,52.97
PCIe_HOST_WAKE: CON101.52 R410.1 R412.2 | length 6.2
  Top Layer w0.102: v1(69.715,60.468) 69.761,60.514 69.761,61.032 69.878,61.149 CON101.52@69.879,61.757
  Bottom Layer w0.102: R412.2@66.009,58.998 66.009,59.832 66.346,60.169 67.292,60.169 67.481,60.358 68.197,60.358 68.208,60.347 69.513,60.347 69.635,60.468 v1(69.715,60.468)
PCIe_nCLKREQ_DEV: D404.K R404.1 R414.2 | length 4.4
  Bottom Layer w0.102: R414.2@65.917,56.97 65.677,57.21 65.677,57.406 65.185,57.898 D404.K@65.185,57.998 66.47,57.998 67.037,58.565 67.43,58.565 67.527,58.663 R404.1@67.527,59.12
PCIe_PERST#_3V3: CON101.64 R411.1 R413.2 | length 28.7
  Top Layer w0.102: v1(51.672,51.443) 51.729,51.5 51.729,51.656 52.973,52.9 59.875,52.9 v1(60.196,53.222) ; v1(67.465,61.137) 67.472,61.144 67.472,61.749 67.487,61.765 CON101.64@67.487,61.749
  Bottom Layer w0.102: v1(51.672,51.443) 52.01,51.104 52.01,48.595 R411.1@52.132,48.473 ; R411.1@52.158,48.473 52.555,48.473 52.615,48.413 52.615,47.812 52.674,47.752 R413.2@53.098,47.752 ; v1(60.196,53.222) 60.196,54.985 60.621,55.41 60.621,58.974 62.345,60.697 64.755,60.697 65.551,61.493 66.624,61.493 66.981,61.137 v1(67.465,61.137)
PCIe_REF_CLK_N: CON401.11 R418.1 R420.2 R426.2 TP406.1 | length 10.3
  Top Layer w0.128: v1(66.166,53.787) 66.218,53.735 66.218,53.596 66.321,53.493 66.427,53.493 66.897,53.964 66.897,55.029 67.475,55.606 67.676,55.606 67.751,55.681 67.751,55.687 67.866,55.802 v1(67.866,55.875)
  Bottom Layer w0.128: CON401.11@63.608,55.353 64.308,55.353 64.593,55.068 65.509,55.068 66.048,55.606 67.592,55.606 67.861,55.875 v1(67.866,55.875) 68.285,55.875 68.501,56.091 R420.2@68.501,56.104 ; v1(66.166,53.787) R418.1@66.674,53.787 66.674,54.537 R426.2@66.662,54.549
PCIe_REF_CLK_P: CON401.13 R417.1 R419.2 R425.2 TP407.1 | length 10.2
  Top Layer w0.128: v1(66.166,52.97) 66.218,53.022 66.218,53.161 66.321,53.264 66.522,53.264 67.127,53.869 67.127,54.934 67.57,55.376 67.676,55.376 67.751,55.301 67.751,55.285 67.856,55.181 v1(67.856,55.158) v1@67.856,55.107
  Bottom Layer w0.128: CON401.13@63.608,54.553 64.308,54.553 64.593,54.838 65.605,54.838 66.143,55.376 67.592,55.376 67.856,55.112 v1@67.856,55.107 ; v1(66.166,52.97) R417.1@66.674,52.97 66.662,52.958 R425.2@66.662,52.186 ; v1(67.856,55.158) 68.364,55.158 R419.2@68.491,55.285
PCIe_RX_N: CON100.63 CON401.23 TP408.1 | length 22.8
  Top Layer w0.128: v1(61.885,47.204) 61.959,47.204 62.094,47.068 63.484,47.068 63.694,46.858 63.694,30.01 63.779,29.925 CON100.63@63.779,29.837
  Bottom Layer w0.128: v1(61.885,47.204) 61.959,47.204 62.094,47.068 62.346,47.068 62.623,47.068 62.908,47.353 63.608,47.353 64.308,47.353 64.586,47.075 64.838,47.075 65.234,47.471 TP408.1@65.236,47.471